# Altium PCB RFSOC_SAWG.PcbDoc (part 14 of 15)
Units mm, origin at the board's own origin, x right, y up, seen from the top; angles counter-clockwise.
Board outline 221.25 x 100 mm, 8 copper layers (Top Layer, Mid-Layer 2, Mid-Layer 3, Mid-Layer 4, Mid-Layer 5, Mid-Layer 6, Mid-Layer 7, Bottom Layer), stack 1.455 mm thick; 1107 components, 833 nets, 3980 pads, 2483 vias.
Unrouted connection lines stored in the file: 1.
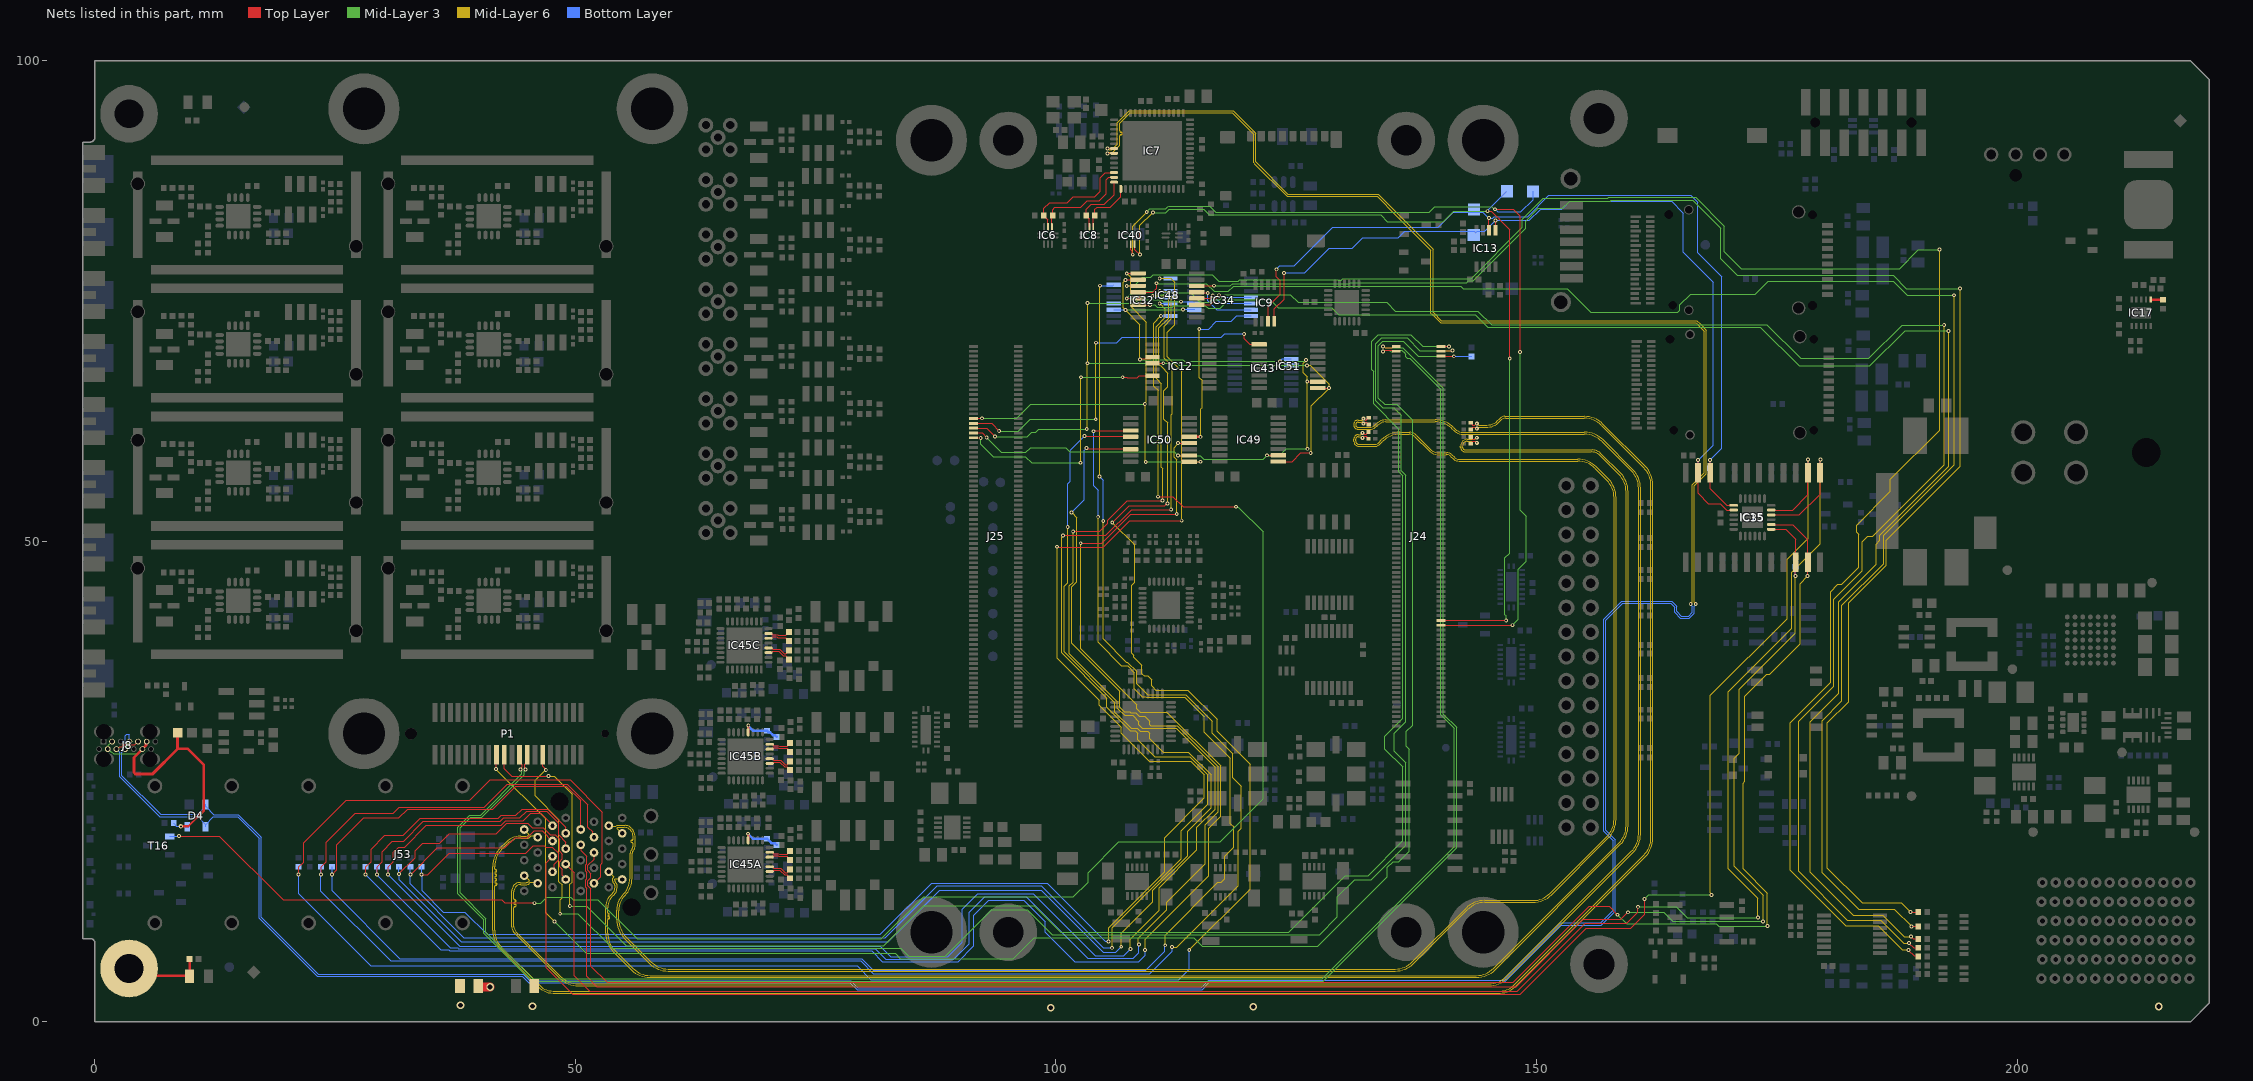
[diagram p20: the nets of this part, all layers, seen from the top]

## Via types
v1: diameter 0.4, hole 0.2, Top Layer to Bottom Layer, tented both sides, 1996 vias
v2: diameter 0.55, hole 0.2, Top Layer to Bottom Layer, 149 vias
v3: diameter 0.5, hole 0.2, Top Layer to Bottom Layer, tented both sides, 106 vias
v4: diameter 0.6, hole 0.3, Top Layer to Bottom Layer, tented both sides, 99 vias
v5: diameter 0.4, hole 0.15, Top Layer to Bottom Layer, tented both sides, 60 vias
v6: diameter 0.6, hole 0.3, Top Layer to Bottom Layer, 32 vias
v7: diameter 0.8, hole 0.5, Top Layer to Bottom Layer, tented both sides, 23 vias
v8: diameter 0.3/0.4/0.4/0.4/0.4/0.3 (per signal layer), hole 0.2, Top Layer to Bottom Layer, tented both sides, 12 vias
v9: diameter 0.4, hole 0.2, Top Layer to Bottom Layer, 5 vias
v10: diameter 0.5, hole 0.2, Top Layer to Bottom Layer, 1 vias

## Nets (pads, with @x,y where several pads share a name; then routed paths per layer and width w, separated by ;. In a path a pad name is that pad's centre, name@x,y a point inside that pad or via, vN(x,y) a via of type N, cw(c..) or ccw(c..) an arc to the next point about the centre after c; other vN are vias at no path point) (continued)
SFP0_RATE_SELECT1: IC32.4 J53.T9 R130.2 | length 236.3
  Top Layer w0.093: v1(21.2,15.325) 21.22,15.345 21.22,16.13 21.725,16.635 21.725,18.625 26.175,23.075 39.025,23.075 41.125,25.175 49.455,25.175 52.811,21.819 52.811,16.544 52.638,16.372 52.638,15.116 J53.T9@51.942,14.42
  Top Layer w0.127: v1(105.863,51.954) 107.619,53.71 111.317,53.71 111.543,53.936 v1(111.617,53.936)
  Mid-Layer 6 w0.127: v1(105.863,51.954) 108.19,49.626 108.19,45.74 107.9,45.45 107.9,38.375 108.117,38.158 108.117,37.935 108.945,37.107 108.945,36.221 109.174,35.992 109.583,35.992 109.971,35.604 109.971,34.963 110.414,34.52 113.735,34.52 116.778,31.477 116.778,30.244 120.2,26.823 120.2,13.808 v1(113.875,7.483) ; v1(110.075,75.55) 111.452,75.55 111.725,75.277 111.725,73.209 110.717,72.201 110.717,68.433 111,68.15 111.65,67.5 111.65,66.075 111.225,65.65 111.225,62.725 111.617,62.333 v1(111.617,53.936)
  Bottom Layer w0.127: R130.2@21.2,16.13 v1(21.2,15.325) 21.2,13.325 28.695,5.83 79.32,5.83 80.75,4.4 112.775,4.4 113.875,5.5 v1(113.875,7.483) ; v1(110.075,75.55) 110.149,75.55 110.297,75.402 IC32.4@111.925,75.402
SFP0_RD_N: C247.1 J53.T12 | length 179.9
  Top Layer w0.093: C247.1@143.148,60.858 143.173,60.858 143.327,60.704 143.327,60.672 143.381,60.618 143.592,60.618 143.746,60.771 v5(143.8,60.771)
  Mid-Layer 6 w0.08: 54.216,14.497 54.155,14.557 cw(c54.311,14.714) 54.09,14.714 54.09,14.862 54.137,14.908 54.783,14.908 J53.T12@54.872,14.82 ; 54.216,14.496 cw(c53.913,14.194) 54.341,14.194 54.341,13.956 cw(c53.339,13.956) 54.047,13.247 53.849,13.049 ccw(c55.037,11.861) 53.357,11.861 53.357,11.693 53.357,11.368 ccw(c53.447,11.368) 53.447,11.278 cw(c53.447,11.188) 53.447,11.098 ccw(c53.447,11.008) 53.447,10.918 53.492,10.918 cw(c53.492,10.828) 53.492,10.738 53.447,10.738 ccw(c53.447,10.648) 53.357,10.648 53.357,10.428 53.357,9.245 ccw(c55.897,9.245) 54.101,7.449 55.981,5.569 ccw(c57.777,7.365) 57.777,4.825 143.748,4.825 ccw(c143.748,7.365) 145.544,5.569 158.581,18.606 ccw(c156.785,20.402) 159.325,20.402 159.325,55.173 ccw(c156.785,55.173) 158.581,56.969 156.625,58.925 ; v5(143.8,60.771) 143.753,60.771 143.593,60.611 142.798,60.611 ccw(c142.798,59.91) 142.097,59.91 142.097,59.808 ccw(c142.601,59.808) 142.601,59.304 155.711,59.304 cw(c155.711,58.011) 156.624,58.926
SFP0_RD_P: C246.1 J53.T13 | length 179.9
  Top Layer w0.093: C246.1@143.148,60.158 143.173,60.158 143.327,60.311 143.327,60.343 143.381,60.398 143.592,60.398 143.746,60.244 v5(143.8,60.244)
  Mid-Layer 6 w0.08: J53.T13@53.492,15.62 53.991,15.121 53.991,15.055 53.883,14.947 53.883,14.621 ccw(c54.088,14.621) 53.943,14.476 54.009,14.411 ; 54.009,14.411 cw(c53.706,14.108) 54.134,14.108 54.134,14.02 cw(c53.185,14.02) 53.856,13.349 53.642,13.135 ccw(c54.83,11.947) 53.15,11.947 53.15,9.244 ccw(c55.895,9.244) 53.954,7.303 55.835,5.422 ccw(c57.776,7.363) 57.776,4.618 143.749,4.618 ccw(c143.749,7.363) 145.69,5.422 158.728,18.46 ccw(c156.787,20.401) 158.731,18.463 ccw(c156.787,20.401) 159.532,20.401 159.532,55.175 ccw(c156.789,55.175) 158.729,57.114 156.711,59.132 ; v5(143.8,60.244) 143.753,60.244 143.593,60.404 142.798,60.404 ccw(c142.798,59.91) 142.304,59.91 142.304,59.808 ccw(c142.601,59.808) 142.601,59.511 155.797,59.511 cw(c155.797,58.218) 156.71,59.133
SFP0_SCL: IC15.8 IC35.11 J53.T5 R51.1 | length 189.4
  Top Layer w0.08: 51.625,12.65 51.625,13.829 51.3,14.154 51.3,14.686 51.625,15.011 51.625,15.429 51.3,15.754 51.3,16.286 51.942,16.928 J53.T5@51.942,17.62
  Top Layer w0.127: 51.625,12.65 51.625,5.8 53.325,4.1 147.575,4.1 155.5,12.025 157.55,12.025 v1(158.425,11.15) ; IC15.8@174.425,51.75 176.65,51.75 178.245,50.155 IC35.11@178.245,47.825 178.22,47.8 v1(178.22,46.4)
  Mid-Layer 3 w0.127: v1(158.425,11.15) 159.379,10.196 168.731,10.196 168.952,9.975 v1(174.025,9.975)
  Mid-Layer 6 w0.127: v1(174.025,9.975) 174.025,10.85 174.025,13.4 171.5,15.925 171.5,24.85 171.675,25.025 171.675,33.9 173.95,36.175 174.25,36.175 177.425,39.35 177.425,45.605 v1(178.22,46.4)
  Bottom Layer w0.127: v1(178.22,46.4) 178.22,47.33 R51.1@178.245,47.355
SFP0_SDA: IC15.7 IC35.10 J53.T4 R49.1 | length 188.1
  Top Layer w0.08: J53.T4@50.552,18.42 50.603,18.369 50.603,17.825 51.194,17.234 51.194,16.472 51.093,16.371 51.093,15.668 51.194,15.567 51.194,14.872 51.093,14.771 51.093,13.987 51.194,13.886 51.194,12.625
  Top Layer w0.127: 51.194,12.625 51.194,4.731 52.25,3.675 147.891,3.675 154.877,10.661 158.786,10.661 v1(159.525,11.4) ; IC15.7@174.425,51.25 175.95,51.25 176.975,50.225 IC35.10@176.975,47.825 176.95,47.8 v1(176.95,46.4)
  Mid-Layer 3 w0.127: v1(159.525,11.4) 163.225,11.4 164.175,10.45 v1(173.575,10.45)
  Mid-Layer 6 w0.127: v1(173.575,10.45) 173.575,13.175 170.575,16.175 170.575,27.45 171.1,27.975 171.1,34.6 176.95,40.45 v1@176.95,46.389
  Bottom Layer w0.127: v1(176.95,46.4) 176.95,47.33 R49.1@176.975,47.355
SFP0_TD_N: C249.1 J53.T19 | length 191.8
  Top Layer w0.093: v5(131.9,61.284) 131.954,61.284 132.108,61.131 132.295,61.131 132.349,61.185 132.349,61.222 132.503,61.375 C249.1@132.528,61.375
  Mid-Layer 6 w0.08: J53.T19@53.492,20.42 53.581,20.331 54.227,20.331 54.334,20.439 55.178,20.439 cw(c55.178,19.531) 55.82,20.173 55.882,20.111 cw(c55.096,19.326) 56.207,19.326 56.207,18.199 cw(c55.683,18.199) 56.054,17.829 55.993,17.768 ; 55.167,13.174 ccw(c56.763,11.58) 54.507,11.58 54.507,10.645 ccw(c57.047,10.645) 55.251,8.849 57.856,6.244 ccw(c59.652,8.04) 59.652,5.5 135.298,5.5 ccw(c135.298,8.04) 137.094,6.244 142.678,11.828 cw(c144.619,9.887) 144.619,12.632 149.63,12.632 ccw(c149.63,15.172) 151.426,13.376 157.331,19.281 ccw(c155.535,21.077) 158.075,21.077 158.075,54.548 ccw(c155.535,54.548) 157.331,56.344 156.069,57.606 ccw(c154.273,55.81) 154.273,58.35 141.949,58.35 cw(c141.949,59.296) 141.28,58.627 141.279,58.629 141.095,58.812 ccw(c140.598,58.315) 140.598,59.018 139.849,59.018 cw(c139.849,60.507) 138.796,59.454 137.35,60.9 ccw(c136.789,60.339) 136.789,61.132 135.802,61.132 ccw(c135.802,58.592) 134.006,60.388 133.771,60.153 cw(c133.083,60.841) 133.083,59.868 131.564,59.868 cw(c131.564,60.438) 130.995,60.438 130.995,60.638 cw(c131.467,60.638) 131.467,61.11 131.693,61.11 131.867,61.284 v5(131.9,61.284) ; 55.168,13.175 ccw(c53.4,14.943) 55.169,13.176 ccw(c53.4,14.943) 55.9,14.943 55.9,17.544 cw(c56.217,17.544) 55.993,17.768
SFP0_TD_P: C248.1 J53.T18 | length 191.8
  Top Layer w0.093: v5(131.9,60.757) 131.954,60.757 132.108,60.911 132.295,60.911 132.349,60.856 132.349,60.82 132.503,60.666 C248.1@132.528,60.666
  Mid-Layer 6 w0.08: J53.T18@54.872,19.62 54.373,20.119 54.373,20.185 54.42,20.232 55.092,20.232 cw(c55.092,19.324) 55.734,19.966 cw(c55.092,19.324) 56,19.324 56,19.305 56,19.005 cw(c55.885,19.005) 55.885,18.89 ccw(c55.885,18.775) 55.77,18.775 ccw(c55.885,18.775) 55.885,18.66 cw(c55.885,18.545) 56,18.545 56,18.505 56,18.5 56,18.285 cw(c55.476,18.285) 55.847,17.914 55.845,17.913 ccw(c56.212,17.546) 55.693,17.546 55.693,14.978 cw(c53.315,14.978) 54.997,13.297 ccw(c56.678,11.615) 54.3,11.615 54.3,10.644 ccw(c57.045,10.644) 55.104,8.703 57.71,6.097 ccw(c59.651,8.038) 59.651,5.293 135.299,5.293 ccw(c135.299,8.038) 137.24,6.097 142.824,11.681 cw(c144.62,9.885) 144.62,12.425 149.631,12.425 ccw(c149.631,15.17) 151.572,13.229 157.478,19.135 ccw(c155.537,21.076) 157.481,19.138 ccw(c155.537,21.076) 158.282,21.076 158.282,54.55 ccw(c155.539,54.55) 157.479,56.489 156.214,57.754 ccw(c154.275,55.814) 154.275,58.557 141.951,58.557 cw(c141.951,59.301) 141.425,58.775 141.181,59.019 ccw(c140.684,58.522) 140.684,59.225 139.85,59.225 cw(c139.85,60.51) 138.941,59.601 137.494,61.049 ccw(c136.792,60.346) 136.792,61.339 135.789,61.339 ccw(c135.789,58.624) 133.869,60.544 133.625,60.3 cw(c133.082,60.843) 133.082,60.075 131.568,60.075 cw(c131.568,60.441) 131.202,60.441 131.202,60.634 cw(c131.471,60.634) 131.471,60.903 131.693,60.903 131.839,60.757 v5(131.9,60.757)
SFP0_TX_DISABLE: IC32.15 J53.T3 R287.2 | length 216
  Top Layer w0.08: v1(23.527,15.325) 23.547,15.345 23.547,16.13 24.075,16.658 24.075,18.7 27.1,21.725 31.05,21.725 31.674,22.349 40.524,22.349 42.917,24.741 49.158,24.741 51.3,22.6 51.3,20.275 51.808,19.767 51.808,19.354 J53.T3@51.942,19.22
  Mid-Layer 6 w0.127: v1(104.535,56.753) 104.567,56.786 104.567,76.567 v1(104.6,76.6) ; v1(104.925,52.1) 104.925,39.854 107.338,37.442 107.427,37.442 108.412,36.456 108.412,35.164 109.564,34.012 113.525,34.012 116.27,31.266 116.27,30.034 118.412,27.892 118.412,25.388 119.291,24.51 119.291,20.15 118.975,19.834 118.975,14.185 118.095,13.305 112.58,7.79 v1(112.085,7.79)
  Bottom Layer w0.127: R287.2@23.527,16.13 v1(23.527,15.325) 23.527,13.598 30.787,6.338 79.696,6.338 81.009,5.025 109.775,5.025 112.085,7.335 v1(112.085,7.79) ; v1(104.535,56.753) 104.925,56.363 v1(104.925,52.1) ; v1(104.6,76.6) 105.923,76.6 IC32.15@106.025,76.702
SFP0_TX_FAULT: IC50.11 J53.T2 R134.1 | length 198.4
  Top Layer w0.08: v1(24.691,15.325) 25.175,15.809 25.175,18.425 27.975,21.225 31.625,21.225 32.542,22.142 41.417,22.142 43.81,24.535 49.073,24.535 50.552,23.055 J53.T2@50.552,20.02
  Top Layer w0.127: v1(103.9,61.45) 103.938,61.488 107.737,61.488 IC50.11@107.775,61.527
  Mid-Layer 6 w0.127: v1(104.4,52.55) 104.4,39.475 106.821,37.054 107.455,37.054 108.158,36.351 108.158,34.685 108.993,33.85 109.366,33.85 109.458,33.758 113.42,33.758 115.45,31.728 115.45,30.143 118.158,27.435 118.158,20.636 118.501,20.293 118.501,18.151 117.563,17.213 117.563,14.872 117.201,14.511 116.861,14.511 111.374,9.024 v1(111.374,7.967)
  Bottom Layer w0.127: R134.1@24.691,16.13 v1(24.691,15.325) 24.691,13.634 31.733,6.592 79.801,6.592 81.018,5.375 109.343,5.375 111.323,7.354 111.323,7.915 v1(111.374,7.967) ; v1(103.9,61.45) 103.941,61.409 103.941,55.759 104.4,55.3 v1(104.4,52.55)
SFP1_LED: IC32.7 T16.1 | length 186
  Top Layer w0.127: v1@8.669,19.325 12.975,19.325 19.592,12.708 42.342,12.708 42.65,12.4 45.7,12.4 v1(45.75,12.35) ; v1(110.631,54.644) 112.181,54.644 113.225,53.6 v1(118.725,53.6)
  Mid-Layer 3 w0.127: v1(45.75,12.35) 46.425,12.35 47.05,12.975 49.525,12.975 49.806,12.694 52.356,12.694 56.425,8.625 81.825,8.625 86.225,13.025 101.825,13.025 103.35,14.55 103.35,15.525 106.55,18.725 117.078,18.725 121.55,23.197 121.55,51.015 118.994,53.571 118.754,53.571 v1(118.725,53.6)
  Mid-Layer 6 w0.127: v1(110.631,54.644) 110.631,65.694 110.171,66.154 110.171,72.708 v1(110.915,73.452)
  Bottom Layer w0.127: T16.1@7.8,19.3 7.825,19.325 v1(8.75,19.325) ; v1(110.915,73.452) IC32.7@111.925,73.452
SFP1_LOS: IC50.4 J53.L8 R291.1 | length 193.9
  Top Layer w0.08: v1(28.182,15.325) 28.202,15.345 28.202,16.13 28.75,16.678 28.75,17.975 30.175,19.4 32.1,19.4 33.875,21.175 41.975,21.175 42.275,21.475 43.8,21.475 44.457,22.132 47.11,22.132 49.002,20.24 J53.L8@49.002,19.62
  Top Layer w0.127: v1(102.581,49.8) 104.775,49.8 107.809,52.834 v1(112.574,52.834) ; v1(112.698,60.227) IC50.4@113.875,60.227
  Mid-Layer 6 w0.127: v1(102.581,49.8) 102.581,38.837 108.419,32.999 108.419,32.581 108.761,32.239 111.552,32.239 117.158,26.633 117.158,21.385 115.9,20.127 115.9,15.215 109.275,8.59 v1(109.275,7.475) ; v1(112.574,52.834) v1(112.574,52.834) 112.575,58.497 112.308,58.765 112.308,59.762 112.698,60.153 v1(112.698,60.227)
  Bottom Layer w0.127: R291.1@28.182,16.13 v1(28.182,15.325) 36.007,7.5 36.811,7.5 36.932,7.379 80.821,7.379 81.921,6.279 89.829,6.279 91.475,7.925 91.475,11.111 93.039,12.675 96.65,12.675 98.9,10.425 98.9,9.35 101.971,6.279 108.629,6.279 109.275,6.925 v1(109.275,7.475)
SFP1_MOD_PRESENT: IC50.14 J53.L6 R292.1 | length 188
  Top Layer w0.08: v1(29.345,15.325) 29.365,15.345 29.365,16.13 29.9,16.665 29.9,17.725 30.975,18.8 32.15,18.8 34.2,20.85 42.175,20.85 42.55,21.225 44.225,21.225 44.925,21.925 47.025,21.925 48.264,20.686 48.264,19.45 49.002,18.712 J53.L6@49.002,18.02
  Top Layer w0.127: v1(103.2,59.708) 103.252,59.655 107.696,59.655 IC50.14@107.775,59.577
  Mid-Layer 6 w0.127: v1(101.636,53.014) 102.19,52.46 102.19,45.781 101.66,45.25 101.66,39.399 106.651,34.408 106.651,32.758 107.13,32.28 107.674,32.28 107.797,32.157 108.309,32.157 108.666,31.8 109.245,31.8 109.563,31.483 109.75,31.295 109.75,30.925 109.85,30.825 112.607,30.825 116.904,26.527 116.904,21.879 115.55,20.525 115.55,16.45 111.56,12.46 111.56,11.671 108.575,8.687 108.575,8.436 108.584,8.428 108.584,8.1 v1(108.636,8.048)
  Bottom Layer w0.127: R292.1@29.345,16.13 v1(29.345,15.325) 36.97,7.7 37.775,7.7 37.842,7.633 81.192,7.633 82.292,6.533 89.358,6.533 90.975,8.15 90.975,11.4 92.6,13.025 96.925,13.025 103.325,6.625 108.05,6.625 108.636,7.211 v1(108.636,8.048) ; v1(101.636,53.014) 102.975,54.352 102.975,59.483 v1(103.2,59.708)
SFP1_RATE_SELECT: IC32.3 J53.L7 R294.2 | length 192.8
  Top Layer w0.08: v1(32.836,15.325) 32.85,15.325 35.65,18.125 42.675,18.125 43.725,19.175 45,19.175 45.7,19.875 46.567,19.875 J53.L7@47.622,18.82
  Top Layer w0.127: v1(100.727,50.622) 105.197,50.622 107.886,53.311 v1(111.998,53.311)
  Mid-Layer 6 w0.127: v1(100.727,50.622) 100.727,50.548 100.596,50.417 100.596,38.391 105.291,33.697 105.291,32.725 107.736,30.28 108.245,30.28 108.505,30.02 108.505,29.37 110.3,27.575 113.934,27.575 115.8,25.709 115.8,22.65 113.025,19.875 113.025,16.956 105.873,9.804 105.873,7.733 v1(105.846,7.706) ; v1(110.798,76.052) 110.838,76.011 111.473,76.011 112.025,75.46 112.025,73.15 111.275,72.4 111.275,69.045 112.115,68.205 112.115,63.265 112.007,63.157 112.007,53.32 v1(111.998,53.311)
  Bottom Layer w0.127: R294.2@32.836,16.13 v1(32.836,15.325) 32.836,14.348 38.412,8.773 82.248,8.773 87.646,14.171 98.47,14.171 104.934,7.706 v1(105.846,7.706) ; v1(110.798,76.052) IC32.3@111.925,76.052
SFP1_RATE_SELECT1: IC32.5 J53.L9 R295.2 | length 200.1
  Top Layer w0.08: v1(30.509,15.325) 30.529,15.345 30.529,16.13 31.075,16.676 31.075,17.65 31.612,18.187 32.238,18.187 34.499,20.449 42.299,20.449 42.775,20.925 44.6,20.925 45.375,21.7 46.418,21.7 47.622,20.496 J53.L9@47.622,20.42
  Top Layer w0.127: v1(101.8,51.025) 104.55,51.025 105.4,51.875 105.4,52.2 107.439,54.239 v1(111.096,54.239)
  Mid-Layer 6 w0.127: v1(101.8,51.025) 101.8,45.75 101.406,45.356 101.406,38.3 106.397,33.309 106.397,32.653 107.147,31.903 107.972,31.903 108.632,31.243 108.632,30.899 108.973,30.558 112.514,30.558 116.562,26.51 116.562,22.137 114.675,20.25 114.675,17.887 110.763,13.975 110.763,11.61 107.757,8.605 v1(107.757,7.573) ; v1(110.798,74.752) 111.4,74.15 111.4,73.325 110.425,72.35 110.425,66.954 110.971,66.408 110.971,57.715 111.096,57.59 v1(111.096,54.239)
  Bottom Layer w0.127: R295.2@30.509,16.13 v1(30.509,15.325) 37.947,7.887 81.713,7.887 82.813,6.787 88.738,6.787 90.25,8.299 90.25,11.725 91.85,13.325 97.65,13.325 104.075,6.9 107.084,6.9 v1(107.757,7.573) ; v1(110.798,74.752) IC32.5@111.925,74.752
SFP1_RD_N: C251.1 J53.L12 | length 203.6
  Top Layer w0.093: C251.1@143.148,62.34 143.173,62.34 143.327,62.186 143.327,62.154 143.381,62.1 143.592,62.1 143.746,62.253 v5(143.8,62.253)
  Mid-Layer 6 w0.08: J53.L12@44.682,20.02 45.176,19.526 45.176,19.46 45.173,19.456 ; 45.173,19.456 cw(c44.842,19.787) 44.842,19.32 44.311,19.32 ccw(c44.311,17.166) 42.79,18.69 ccw(c44.311,17.166) 42.789,18.689 42.197,18.097 ccw(c44.138,16.156) 42.194,18.094 ccw(c44.138,16.156) 41.393,16.16 ccw(c44.138,16.156) 41.393,16.156 41.393,9.526 ccw(c44.138,9.526) 42.197,7.585 46.136,3.646 ccw(c47.696,5.206) 47.696,3 146.211,3 ccw(c146.211,5.205) 147.771,3.646 161.321,17.196 ccw(c159.38,19.137) 161.324,17.199 ccw(c159.38,19.137) 162.125,19.137 162.125,55.857 ccw(c159.382,55.857) 161.322,57.796 156.921,62.197 ; v5(143.8,62.253) 143.847,62.253 144.007,62.093 144.852,62.093 ccw(c144.852,63.641) 145.947,62.547 146.173,62.773 ; 146.173,62.773 cw(c146.721,62.226) 146.721,63 154.982,63 cw(c154.982,60.257) 156.921,62.197
SFP1_RD_P: C250.1 J53.L13 | length 203.7
  Top Layer w0.093: C250.1@143.148,61.64 143.173,61.64 143.327,61.793 143.327,61.825 143.381,61.88 143.592,61.88 143.746,61.726 v5(143.8,61.726)
  Mid-Layer 6 w0.08: J53.L13@46.072,19.22 45.906,19.386 45.396,19.386 45.182,19.173 cw(c45.037,19.318) 45.037,19.113 44.314,19.113 ccw(c44.314,17.161) 42.934,18.541 42.344,17.951 ccw(c44.14,16.155) 41.6,16.155 41.6,15.943 ccw(c41.715,15.943) 41.715,15.828 cw(c41.715,15.713) 41.83,15.713 cw(c41.715,15.713) 41.715,15.598 ccw(c41.715,15.483) 41.6,15.483 ccw(c41.715,15.483) 41.715,15.368 cw(c41.715,15.253) 41.83,15.253 cw(c41.715,15.253) 41.715,15.138 ccw(c41.715,15.023) 41.6,15.023 ccw(c41.715,15.023) 41.715,14.908 cw(c41.715,14.793) 41.83,14.793 cw(c41.715,14.793) 41.715,14.678 ccw(c41.715,14.563) 41.6,14.563 ccw(c41.715,14.563) 41.715,14.448 41.735,14.448 cw(c41.735,14.333) 41.85,14.333 cw(c41.735,14.333) 41.735,14.218 41.715,14.218 ccw(c41.715,14.103) 41.6,14.103 41.6,13.833 41.6,9.527 ccw(c44.14,9.527) 42.344,7.731 46.282,3.793 ccw(c47.697,5.208) 47.697,3.207 146.211,3.207 ccw(c146.211,5.208) 147.625,3.793 161.174,17.342 ccw(c159.378,19.138) 161.918,19.138 161.918,55.855 ccw(c159.378,55.855) 161.174,57.651 156.776,62.049 ccw(c154.98,60.253) 154.98,62.793 146.806,62.793 ccw(c146.806,62.019) 146.259,62.566 ; v5(143.8,61.726) 143.847,61.726 144.007,61.886 144.938,61.886 ccw(c144.938,63.434) 146.032,62.34 146.259,62.566
SFP1_SCL: IC15.11 IC35.14 J53.L5 R53.1 | length 198.3
  Top Layer w0.08: 46.978,12.65 46.978,16.576 J53.L5@47.622,17.22
  Top Layer w0.127: 46.978,12.65 46.978,5.622 49.734,2.866 148.316,2.866 155.175,9.725 159.8,9.725 161.25,11.175 v1(161.25,12.8) ; IC15.11@174.425,53.25 176.65,53.25 178.245,54.845 IC35.14@178.245,57.125 178.27,57.15 v1(178.27,58.52)
  Mid-Layer 3 w0.127: v1(161.25,12.8) 161.7,13.25 168.175,13.25 v1(168.225,13.2)
  Mid-Layer 6 w0.127: v1(168.225,13.2) 168.225,13.273 168.087,13.411 168.087,33.987 176.071,41.971 176.071,48.121 178.27,50.32 v1(178.27,58.52)
  Bottom Layer w0.127: R53.1@178.245,57.565 178.27,57.59 v1(178.27,58.52)
SFP1_SDA: IC15.10 IC35.13 J53.L4 R52.1 | length 203.7
  Top Layer w0.08: J53.L4@49.002,16.42 49.9,15.522 49.9,12.65
  Top Layer w0.127: 49.9,12.65 49.9,4.775 51.475,3.2 148.025,3.2 155.075,10.25 159.4,10.25 160.55,11.4 v1(160.55,11.975) ; IC15.10@174.425,52.75 177.35,52.75 179.515,54.915 IC35.13@179.515,57.125 179.54,57.15 v1(179.54,58.52)
  Mid-Layer 3 w0.127: v1(160.55,11.975) 164.565,11.975 165.69,10.85 v1(173.05,10.85)
  Mid-Layer 6 w0.127: v1(173.05,10.85) 173.05,12.85 169.975,15.925 169.975,34.35 176.559,40.935 176.559,46.784 179.54,49.765 v1(179.54,58.52)
  Bottom Layer w0.127: R52.1@179.515,57.565 179.54,57.59 v1(179.54,58.52)
SFP1_TD_N: C253.1 J53.L19 | length 204.9
  Top Layer w0.093: v5(132,62.777) 132.026,62.777 132.179,62.623 132.311,62.623 132.365,62.678 132.365,62.71 132.519,62.863 C253.1@132.544,62.863
  Mid-Layer 6 w0.08: J53.L19@46.072,14.42 45.987,14.505 45.331,14.505 45.225,14.399 cw(c44.969,14.655) 44.969,14.293 44.343,14.293 ccw(c44.343,13.55) 43.905,14.15 ccw(c44.343,13.55) 43.743,13.988 ccw(c44.343,13.55) 43.6,13.55 43.6,13.022 43.6,12.801 ccw(c43.715,12.801) 43.715,12.686 cw(c43.715,12.571) 43.83,12.571 cw(c43.715,12.571) 43.715,12.456 ccw(c43.715,12.341) 43.6,12.341 ccw(c43.715,12.341) 43.715,12.226 43.724,12.226 cw(c43.724,12.111) 43.839,12.111 cw(c43.724,12.111) 43.724,11.996 43.715,11.996 ccw(c43.715,11.881) 43.6,11.881 43.6,11.611 43.6,9.918 ccw(c44.368,9.918) 43.825,9.375 48.506,4.694 ccw(c50.302,6.49) 50.302,3.95 145.03,3.95 ccw(c145.03,6.49) 146.826,4.694 159.881,17.749 ccw(c158.085,19.545) 160.625,19.545 160.625,55.523 ccw(c158.085,55.523) 159.881,57.319 156.792,60.408 ccw(c154.996,58.612) 154.996,61.152 142.333,61.152 cw(c142.333,62.468) 141.403,61.538 141.259,61.681 ccw(c139.463,59.885) 140.977,61.925 ccw(c139.463,59.885) 139.662,62.417 ccw(c139.463,59.885) 139.463,62.425 135.426,62.425 134.836,62.425 134.3,62.425 ccw(c134.3,61.275) 133.487,62.088 133.36,61.961 cw(c132.652,62.67) 132.652,61.668 131.425,61.668 cw(c131.425,62.125) 130.968,62.125 cw(c131.46,62.125) 131.46,62.617 131.84,62.617 ccw(c131.84,62.777) v5(132,62.777)
SFP1_TD_P: C252.1 J53.L18 | length 204.9
  Top Layer w0.093: v5(132,62.25) 132.026,62.25 132.179,62.403 132.311,62.403 132.365,62.349 132.365,62.317 132.519,62.163 C252.1@132.544,62.163
  Mid-Layer 6 w0.08: J53.L18@44.682,15.22 45.184,14.718 45.184,14.651 45.139,14.606 cw(c44.883,14.862) 44.883,14.5 44.257,14.5 ccw(c44.257,13.636) 43.871,14.409 ccw(c44.257,13.636) 43.484,14.022 ccw(c44.257,13.636) 43.393,13.636 43.393,9.917 ccw(c44.365,9.917) 43.678,9.23 48.36,4.547 ccw(c50.301,6.488) 50.301,3.743 145.031,3.743 ccw(c145.031,6.488) 146.972,4.547 160.028,17.603 ccw(c158.087,19.544) 160.031,17.606 ccw(c158.087,19.544) 160.832,19.544 160.832,55.525 ccw(c158.089,55.525) 160.029,57.464 156.937,60.556 ; v5(132,62.25) ccw(c131.84,62.25) 131.84,62.41 131.46,62.41 ccw(c131.46,62.125) 131.175,62.125 ccw(c131.425,62.125) 131.425,61.875 132.65,61.875 ccw(c132.65,62.674) 133.215,62.109 133.341,62.235 cw(c134.299,61.277) 134.299,62.632 139.465,62.632 cw(c139.465,59.889) 139.695,62.622 cw(c139.465,59.889) 141.044,62.132 cw(c139.465,59.889) 141.404,61.829 141.548,61.685 ccw(c142.335,62.473) 142.335,61.359 154.997,61.359 cw(c154.997,58.616) 156.936,60.556